# KiCad board GPDI_ULX3S_panel.kicad_pcb (continued)
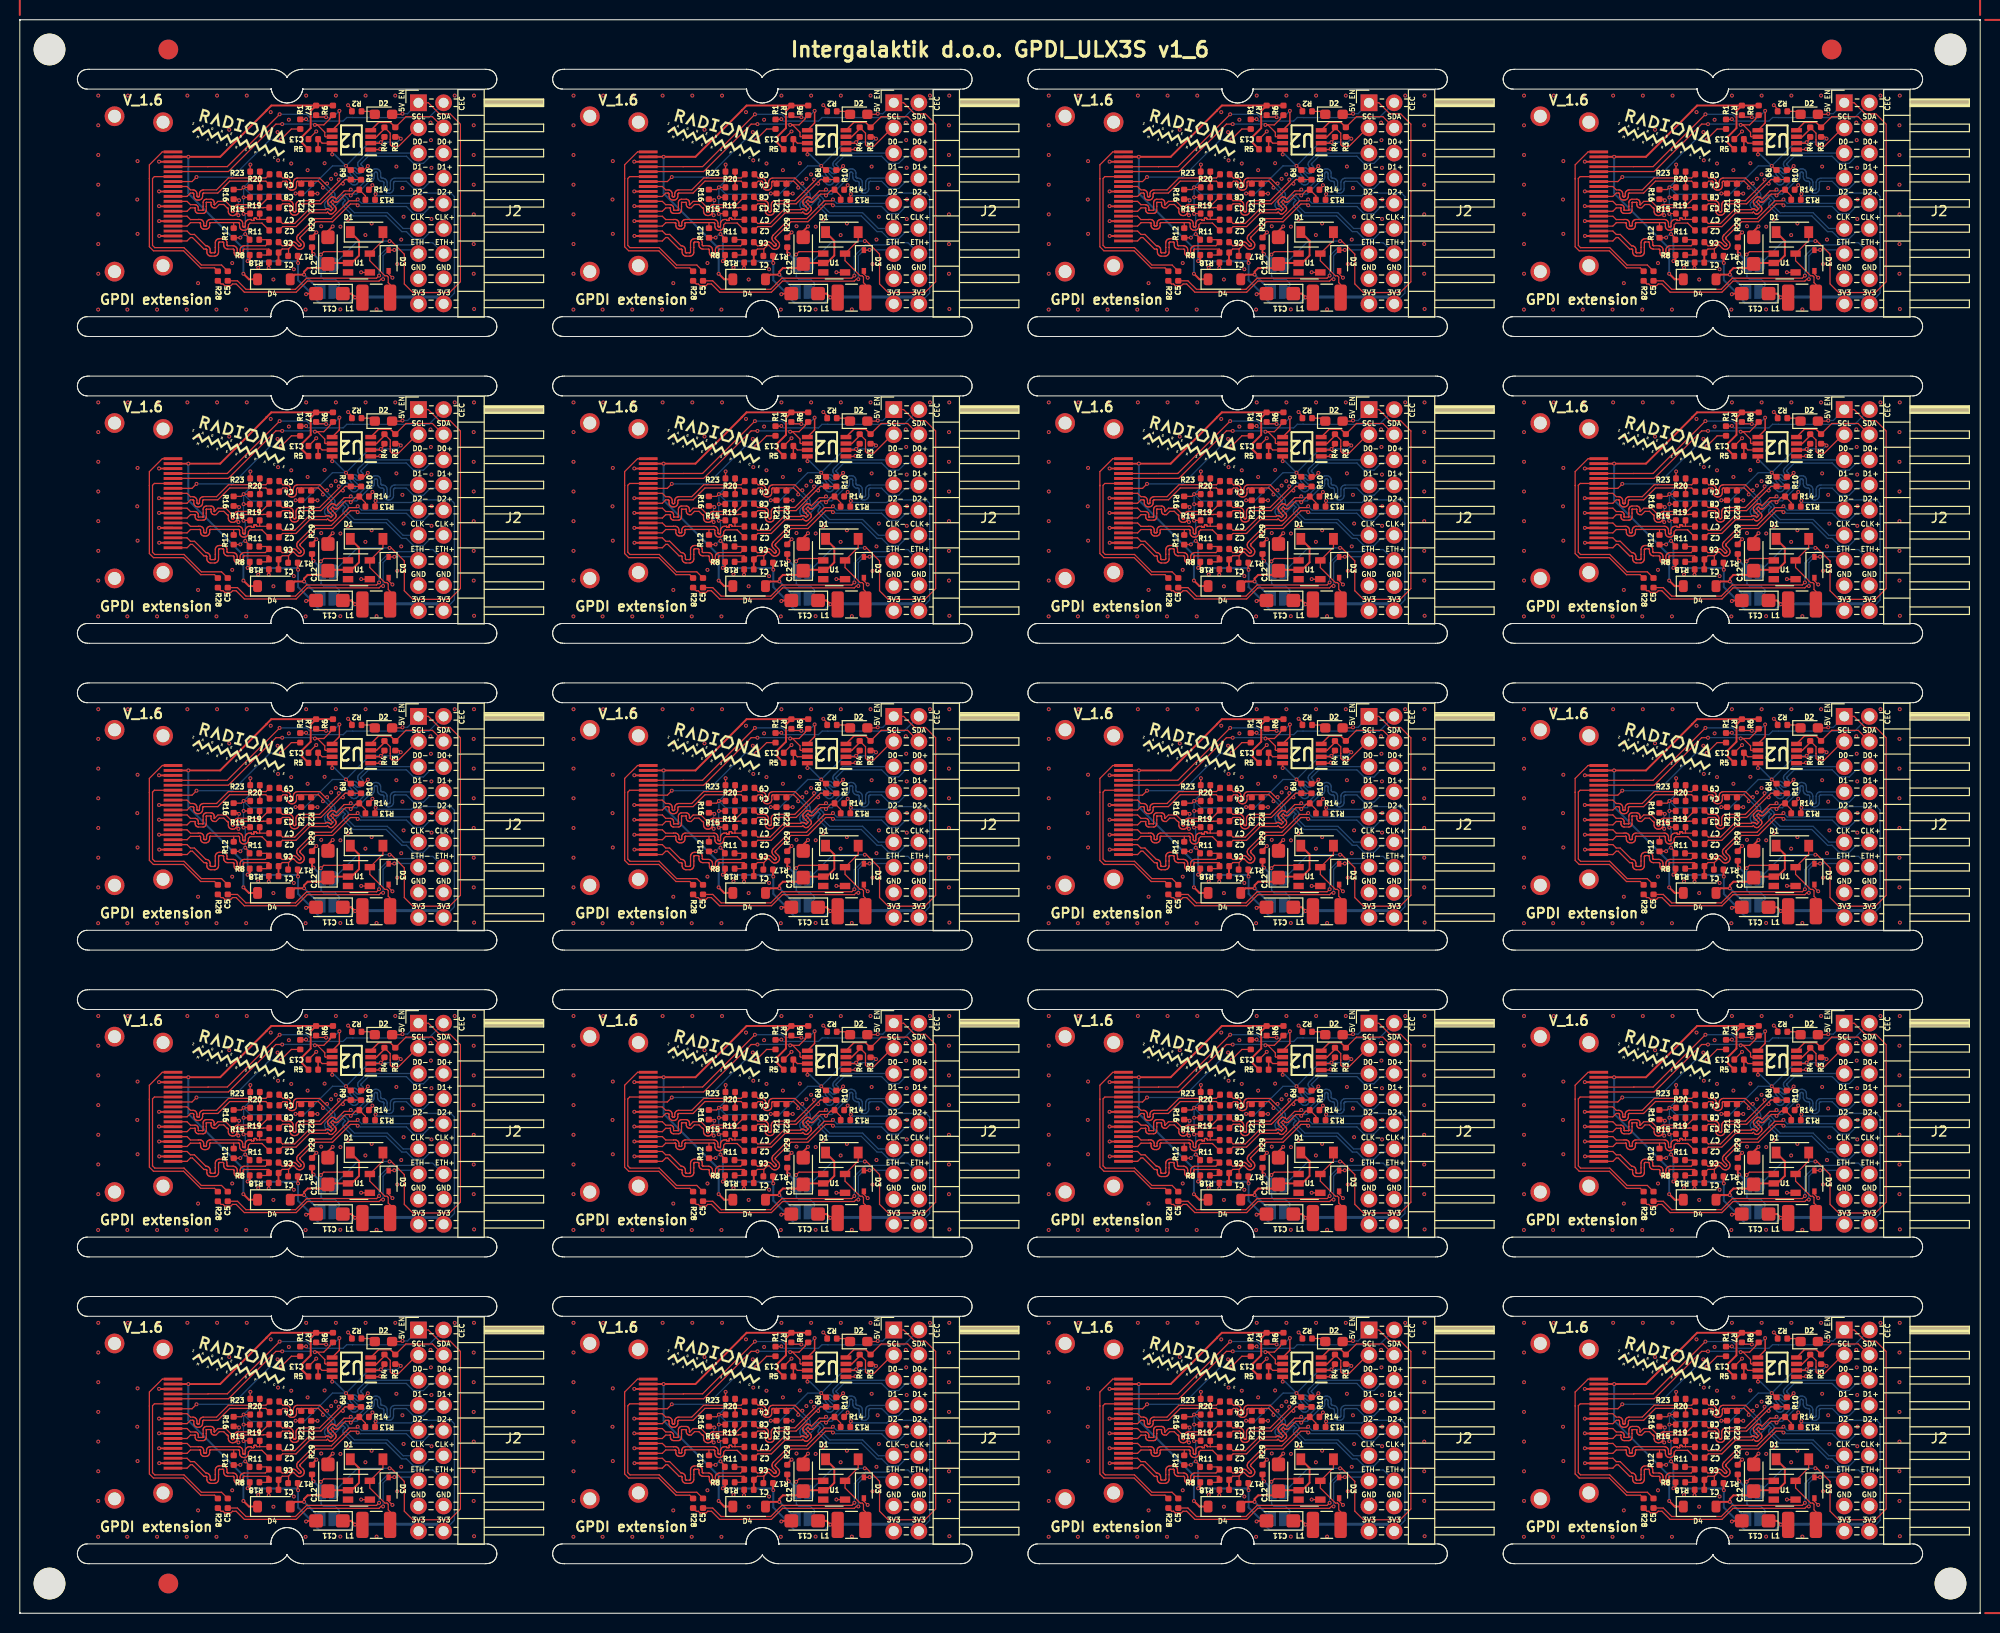
[diagram p0: board, top side]
## Routing (per net, layer and track width the routed paths; a pad name or vN(x,y) marks a point on that pad's centre or on a via; arc(x,y) is an arc through that point) (continued)
Board_8-GPDI_D0+: length 26.3
  Top w0.127: C3#14.1 26.53,80.4 27.15,80.4 27.18,80.4 27.21,80.39 27.24,80.37 27.26,80.35 27.28,80.32 27.29,80.29 27.29,80.26 27.29,79.69 27.3,79.59 27.34,79.5 27.39,79.42 27.46,79.35 27.54,79.3 27.63,79.27 27.73,79.26 27.78,79.26 27.88,79.27 27.97,79.3 28.05,79.35 28.12,79.42 28.17,79.5 28.2,79.59 28.21,79.69 28.21,80.26 28.22,80.29 28.23,80.32 28.24,80.35 28.26,80.37 28.29,80.39 28.32,80.4 28.35,80.4 30.4,80.4 32.44,82.44 v1(32.63,82.44) 32.63,82.63 32.86,82.85 R9#5.2 34.46,82.85 R10#16.1
  Bottom w0.127: J2#7.6 42.48,85.22 41.48,85.22 40.76,84.49 39.76,84.49 39.04,85.22 35.22,85.22 34.48,84.47 34.46,84.46 34.45,84.44 34.45,84.42 34.45,84.4 34.45,84.38 34.46,84.36 34.48,84.35 34.6,84.22 34.66,84.15 34.7,84.07 34.72,83.99 34.72,83.9 34.7,83.82 34.66,83.74 34.6,83.67 34.5,83.57 34.43,83.51 34.35,83.48 34.27,83.46 34.18,83.46 34.1,83.48 34.02,83.51 33.95,83.57 33.83,83.7 33.81,83.71 33.79,83.72 33.77,83.72 33.75,83.72 33.73,83.72 33.71,83.71 33.7,83.7 33.68,83.67 33.66,83.64 33.66,83.61 33.66,83.58 33.66,83.55 33.68,83.52 33.7,83.5 34.11,83.08 34.17,83.01 34.21,82.92 34.24,82.83 34.24,82.73 34.21,82.63 34.17,82.55 34.11,82.47 34.07,82.43 34,82.37 33.91,82.33 33.82,82.31 33.72,82.31 33.62,82.33 33.54,82.37 33.46,82.43 33.05,82.85 33.02,82.87 32.99,82.88 32.96,82.89 32.93,82.89 32.9,82.88 32.87,82.87 32.85,82.85 32.63,82.63 v1(32.63,82.44)
Board_8-GPDI_D0-: length 20.9
  Top w0.127: C8#16.1 26.53,80.72 27.18,80.72 27.28,80.71 27.37,80.68 27.45,80.63 27.52,80.56 27.57,80.48 27.6,80.39 27.61,80.29 27.61,79.72 27.62,79.69 27.63,79.66 27.64,79.63 27.66,79.61 27.69,79.59 27.72,79.58 27.75,79.58 27.78,79.58 27.81,79.59 27.84,79.61 27.86,79.63 27.88,79.66 27.89,79.69 27.89,79.72 27.89,80.29 27.9,80.39 27.94,80.48 27.99,80.56 28.06,80.63 28.14,80.68 28.23,80.71 28.33,80.72 30.27,80.72 32.22,82.67 v1(32.22,82.86)
  Bottom w0.127: J2#7.5 35.08,85.53 34.23,84.68 34.18,84.62 34.14,84.54 34.12,84.45 34.12,84.37 34.14,84.28 34.18,84.21 34.23,84.14 34.36,84.01 34.37,83.99 34.38,83.97 34.39,83.95 34.39,83.93 34.38,83.91 34.37,83.9 34.36,83.88 34.29,83.81 34.28,83.8 34.26,83.79 34.24,83.78 34.22,83.78 34.2,83.79 34.18,83.8 34.16,83.81 34.03,83.94 33.97,83.99 33.89,84.03 33.8,84.05 33.72,84.05 33.63,84.03 33.56,83.99 33.49,83.94 33.45,83.9 33.39,83.83 33.35,83.74 33.33,83.65 33.33,83.55 33.35,83.45 33.39,83.37 33.45,83.29 33.87,82.88 33.89,82.85 33.9,82.82 33.91,82.79 33.91,82.76 33.9,82.73 33.89,82.7 33.87,82.68 33.84,82.66 33.81,82.64 33.78,82.64 33.75,82.64 33.72,82.64 33.69,82.66 33.67,82.68 33.25,83.09 33.18,83.15 33.09,83.19 33,83.22 32.9,83.22 32.81,83.19 32.72,83.15 32.64,83.09 32.41,82.86 v1(32.22,82.86)
Board_8-GPDI_D1+: length 26.6
  Top w0.127: C2#17.1 26.54,78.1 27.9,78.1 29.29,79.49 30.99,79.49 31.08,79.58 31.21,79.46 31.26,79.42 31.32,79.39 31.39,79.37 31.46,79.37 31.52,79.39 31.58,79.42 31.63,79.46 31.86,79.68 31.9,79.74 31.93,79.8 31.95,79.86 31.95,79.93 31.93,79.99 31.9,80.06 31.86,80.11 31.62,80.35 31.63,80.36 31.41,80.58 31.61,80.78 31.73,80.66 31.79,80.61 31.85,80.59 31.91,80.57 31.98,80.57 32.04,80.59 32.1,80.61 32.16,80.66 32.89,81.39 33.29,81.39 v1(33.42,81.25) 33.91,81.74 34.19,81.74 R14#14.1 34.91,81.21 R13#12.2
  Bottom w0.127: 42.8,83 42.48,82.68 41.48,82.68 40.76,81.95 39.76,81.95 39.04,82.68 37.91,82.68 37.87,82.67 37.84,82.66 37.81,82.64 37.78,82.61 37.76,82.58 37.75,82.55 37.75,82.51 37.75,81.94 37.73,81.84 37.7,81.74 37.65,81.65 37.57,81.58 37.49,81.53 37.39,81.49 37.29,81.48 37.23,81.48 37.13,81.49 37.04,81.53 36.95,81.58 36.88,81.65 36.82,81.74 36.79,81.84 36.78,81.94 36.78,82.51 36.77,82.55 36.76,82.58 36.74,82.61 36.71,82.64 36.68,82.66 36.65,82.67 36.61,82.68 36.58,82.68 36.48,82.69 36.39,82.72 36.3,82.78 36.23,82.85 36.17,82.93 36.14,83.03 36.13,83.13 36.13,83.45 36.12,83.49 36.11,83.53 36.09,83.56 36.06,83.58 36.03,83.6 36,83.62 35.96,83.62 35.92,83.62 35.89,83.6 35.86,83.58 35.83,83.56 35.81,83.53 35.8,83.49 35.8,83.45 35.8,83.13 35.78,83.03 35.75,82.93 35.7,82.85 35.62,82.78 35.54,82.72 35.44,82.69 35.34,82.68 35.31,82.68 34.03,81.39 33.56,81.39 v1(33.42,81.25)
Board_8-GPDI_D1-: length 21
  Top w0.127: v1(33.42,81.85) 33.29,81.71 32.76,81.71 31.94,80.89 31.82,81.02 31.77,81.06 31.71,81.09 31.64,81.11 31.57,81.11 31.51,81.09 31.45,81.06 31.39,81.02 31.17,80.79 31.13,80.74 31.1,80.68 31.08,80.62 31.08,80.55 31.1,80.48 31.13,80.42 31.17,80.37 31.41,80.13 31.4,80.12 31.62,79.9 31.42,79.7 31.3,79.82 31.24,79.86 31.18,79.89 31.12,79.91 31.05,79.91 30.98,79.89 30.92,79.86 30.87,79.82 30.86,79.81 29.16,79.81 27.77,78.42 26.54,78.42 C7.1
  Bottom w0.127: 40.26,83 37.88,83 37.78,82.98 37.69,82.95 37.6,82.9 37.53,82.82 37.47,82.74 37.44,82.64 37.43,82.54 37.43,81.97 37.42,81.93 37.41,81.89 37.39,81.86 37.36,81.84 37.33,81.82 37.3,81.8 37.26,81.8 37.22,81.8 37.19,81.82 37.16,81.84 37.13,81.86 37.11,81.89 37.1,81.93 37.1,81.97 37.1,82.54 37.08,82.64 37.05,82.74 37,82.82 36.92,82.9 36.84,82.95 36.74,82.98 36.64,83 36.61,83 36.57,83 36.54,83.01 36.51,83.03 36.48,83.06 36.46,83.09 36.45,83.12 36.45,83.16 36.45,83.48 36.43,83.58 36.4,83.68 36.35,83.77 36.27,83.84 36.19,83.89 36.09,83.93 35.99,83.94 35.93,83.94 35.83,83.93 35.74,83.89 35.65,83.84 35.58,83.77 35.52,83.68 35.49,83.58 35.48,83.48 35.48,83.16 35.47,83.12 35.46,83.09 35.44,83.06 35.41,83.03 35.38,83.01 35.35,83 35.31,83 35.18,83 33.89,81.71 33.56,81.71 v1(33.42,81.85)
Board_8-GPDI_D2+: length 22.7
  Top w0.127: 27.14,75.84 26.5,75.84 C1#16.1 ; 27.14,75.84 27.49,76.19 27.51,76.21 27.54,76.22 27.57,76.23 27.6,76.23 27.63,76.22 27.66,76.21 27.69,76.19 27.96,75.92 28.03,75.86 28.12,75.82 28.21,75.79 28.31,75.79 28.4,75.82 28.49,75.86 28.57,75.92 28.61,75.96 28.67,76.03 28.71,76.12 28.73,76.21 28.73,76.31 28.71,76.41 28.67,76.49 28.61,76.57 28.34,76.84 28.32,76.86 28.3,76.89 28.3,76.92 28.3,76.95 28.3,76.98 28.32,77.01 28.34,77.04 29.89,78.59 31.59,78.59 33.39,80.39 33.99,80.39 v1(34.12,80.25) ; 27.14,75.84 27.14,75.19 R17#13.2
  Top w0.2: R18#14.1 26.13,75.47 C1#16.1
  Bottom w0.127: v1(34.12,80.25) 34.27,80.25 34.38,80.14 39.04,80.14 39.76,79.41 40.76,79.41 41.48,80.14 42.48,80.14 J2#7.10
Board_8-GPDI_D2-: length 17.8
  Top w0.127: C6#19.1 26.5,76.16 27.01,76.16 27.28,76.43 27.36,76.49 27.44,76.53 27.54,76.56 27.64,76.56 27.73,76.53 27.82,76.49 27.89,76.43 28.16,76.16 28.19,76.14 28.21,76.13 28.25,76.12 28.28,76.12 28.31,76.13 28.34,76.14 28.36,76.16 28.38,76.19 28.39,76.22 28.4,76.25 28.4,76.28 28.39,76.31 28.38,76.34 28.36,76.36 28.09,76.63 28.03,76.71 27.99,76.79 27.97,76.89 27.97,76.98 27.99,77.08 28.03,77.17 28.09,77.24 29.76,78.91 31.46,78.91 33.26,80.71 33.99,80.71 v1(34.12,80.85)
  Bottom w0.127: J2#7.9 34.52,80.45 v1(34.12,80.85)
Board_8-GPDI_ETH+: length 25.7
  Top w0.127: v1(36.29,73.15) 36.03,72.89 28.97,72.89 27.84,71.77 22.84,71.77 21.98,72.62 C5.1
  Bottom w0.127: v1(36.29,73.15) 36.29,75.13 37.41,76.25 39.65,76.25 39.87,76.47 41.71,76.47 J2#7.14
Board_8-GPDI_ETH-: length 24.8
  Top w0.127: R28#7.2 20.32,72.31 20.52,72.31 20.69,72.14 21.31,72.14 21.48,72.31 21.85,72.31 22.68,71.48 27.91,71.48 29.03,72.6 36.29,72.6 36.48,72.79 v1(36.69,72.79) ; v1(37.82,75.75) 37.8,75.72 D3#6.1
  Bottom w0.127: v1(36.69,72.79) 36.69,72.79 36.69,75.16 37.27,75.75 v1(37.82,75.75) 39.89,75.75 J2#7.13
Board_8-GPDI_SCL: length 21.1
  Top w0.127: v1(26.5,88.46) 25.86,88.46 21.07,83.67 15.48,83.67 P1#11.15 ; R6#11.2 31.32,89.06 31.32,89 30.7,88.38 v1(29.8,88.38) 30.05,88.38 30.8,87.63 30.8,87.25 30.87,87.18 U2#3.6
  Bottom w0.127: v1(26.5,88.46) 26.51,88.47 29.71,88.47 v1(29.8,88.38)
Board_8-GPDI_SDA: length 22.8
  Top w0.127: R7#19.2 30.11,89.18 30.91,89.18 v1(30.93,89.16) ; P1#11.16 19.01,84.15 19.02,84.17 20.96,84.17 v1(26.24,89.45)
  Top w0.15: U2#3.5 32.28,88.57 v1(32.28,89.8)
  Bottom w0.127: v1(32.28,89.8) 31.58,89.1 30.99,89.1 v1(30.93,89.16) 30.92,89.17 29.25,89.17 28.97,89.45 v1(26.24,89.45)
Board_8-Net-(D1-A): length 8.1
  Top w0.127: L1#6.2 37.4,72.25 37.21,72.44 37.21,73.01 37.08,73.13 36.87,73.13 35.35,74.66 U1#19.5 36.67,76.7 D1#14.2
Board_8-Net-(D1-K): length 13.2
  Top w0.2: D4#12.2 27.78,73.25 v1(28.71,73.25) 28.71,73.55 29.07,73.91 30.7,73.91 C12#17.1 31.22,74.42 U1#19.2 33.51,74.42 34.26,75.18 34.26,76.66 D1#14.1
  Bottom w0.2: JP2#16.1 30.37,71.59 v1(28.71,73.25)
Board_8-Net-(D2-K): length 1.5
  Top w0.127: D2#3.1 35.55,89.75 R2#5.1
Board_8-Net-(U2-VREF2): length 2.6
  Top w0.127: C13#16.1 30.53,86.53 U2#3.7
  Top w0.15: R5#18.2 C13#16.1
Board_8-PMOD_SCL: length 8.1
  Top w0.127: 39.88,87.69 40.26,88.08 40.11,88.08 38.25,86.21 37.59,86.21 37.41,86.38 37.41,86.88 37.41,86.88 37.41,87.55 R4#4.2
  Top w0.15: R4#4.2 36.82,87.98 36.03,87.18 U2#3.3
Board_8-PMOD_SDA: length 8.8
  Top w0.127: R3#10.2 39,89.21 41.67,89.21 42.8,88.08
  Top w0.15: R3#10.2 37.43,88.63 36.24,88.63 U2#3.4
Board_9-5V_ENABLE: length 54.8
  Top w0.127: v1(85.34,76.64) 85.51,76.64 86.83,75.32 86.83,72.31 87.7,71.44 91.41,71.44 92.5,72.53 92.5,88.45 91.46,89.49 90.39,89.49 89.26,90.61 J2.1 87.8,90.15 ; v1(86.65,89.51) 86.59,89.45 D2#5.2 ; U1#16.1 80.96,75.57 78.7,75.57 v1(78.41,75.28)
  Top w0.2: R29#6.1 77.51,75.48 v1(77.66,75.33)
  Bottom w0.127: JP2#7.2 80.26,72.13 80.26,72.39 79.86,72.79 78.68,72.79 78.44,73.03 78.43,73.03 78.43,74.25 JP1#5.2 78.42,75 78.41,75.01 v1(78.41,75.28) ; JP1#5.1 82.12,76.64 v1(85.34,76.64) ; v1(86.65,89.51) 87.16,89.51 J2.1
  Bottom w0.2: v1(77.66,75.33) 78.42,74.57 JP1#5.2
  Bottom w0.5: JP1#5.2 JP1#5.1
Board_9-+3V3: length 87.4
  Top w0.127: v1(83.93,81.38) 83.88,81.33 R13#17.1 ; L1#13.1 81.88,70.93 v1(81.86,70.95) ; v1(75.85,81.45) R21#4.1 ; v1(70.27,76.99) 70.26,76.97 R12#2.1 ; R15#19.1 70.62,79.42 v1(70.59,79.39) ; R11#20.1 71.21,76.91 v1(70.77,77.35) ; v1(86.47,86.99) 86.3,87.17 R3#7.1 ; v1(80.94,84.24) 81.36,83.82 R9#4.1 ; v1(71.29,84.37) 71.27,84.35 R23#17.1 ; R4#13.1 84.82,86.99 v1(84.47,86.63) ; R20#4.1 v1(70.6,82.07) 70.38,81.85 R16.1 ; R19#3.1 v1(70.6,81.06)
  Top w0.15: U2#15.2 84.37,86.53 v1(84.47,86.63) ; v1(79.55,85.4) 79.54,85.41 U2#15.8
  Top w0.2: v1(76.1,74.43) 76.07,74.46 R17#5.1 ; v1(81.86,70.95) 81.48,71.33 C11#5.1 ; R8#4.1 71.23,74.84 v1(71.01,74.62)
  Bottom w0.127: J2.18 91.89,71.38 91.89,81.14 91.54,81.5 87.83,81.5 87.57,81.23 84.08,81.23 v1(83.93,81.38) ; v1(70.6,82.07) 71.3,81.37 75.77,81.37 v1(75.85,81.45) 76.79,81.45 79.58,84.24 v1(80.94,84.24) 83.34,86.63 v1(84.47,86.63) 86.12,86.63 v1(86.47,86.99) ; v1(70.6,82.07) v1(70.6,81.06) 70.59,81.05 v1(70.59,79.39) 70.77,79.22 v1(70.77,77.35) 70.63,77.35 v1(70.27,76.99) ; v1(70.6,82.07) 71.29,82.75 v1(71.29,84.37)
  Bottom w0.15: v1(79.55,85.4) 79.78,85.4 v1(80.94,84.24)
  Bottom w0.2: v1(70.77,77.35) 71.01,77.11 v1(71.01,74.62) 71.03,74.6 75.93,74.6 v1(76.1,74.43) 76.1,72.68 77.65,71.14 77.65,71 78.24,70.41 81.32,70.41 v1(81.86,70.95)
  Bottom w0.3: v1(81.86,70.95) 81.9,70.99 90.11,70.99 J2.18
Board_9-+5V: length 39.3
  Top w0.2: D4#3.1 71.14,72.78 v1(70.58,73.34) ; R7#6.1 73.4,90.33 72.92,89.85 72.92,89.83 68.24,85.15 v1(65.02,85.15) P1#3.18 ; R7#6.1 R6#18.1 ; R7#6.1 77.38,89.79 77.38,88.06 76.53,87.2 76.53,86.55 R5#7.1
  Bottom w0.2: v1(70.58,73.34) 70.58,75.9 65.02,81.46 v1(65.02,85.15)
Board_9-/CEC: length 15.1
  Top w0.127: P1#3.13 65.39,82.65 v1(65.85,83.11) ; R1#6.1 75.43,87.97 v1(74.37,86.91)
  Bottom w0.127: v1(65.85,83.11) 69.47,83.11 73.28,86.91 v1(74.37,86.91)
Board_9-/CLK+: length 12.1
  Top w0.127: C4#3.2 72.85,82.7 69.2,82.7 68,81.5 66.58,81.5 66.55,81.49 66.53,81.48 66.51,81.47 66.49,81.45 66.48,81.43 66.47,81.4 66.46,81.38 66.46,81.19 66.45,81.1 66.42,81.02 66.37,80.94 66.31,80.87 66.23,80.82 66.14,80.79 66.05,80.78 65.98,80.78 65.89,80.79 65.8,80.82 65.73,80.87 65.66,80.94 65.61,81.02 65.58,81.1 65.57,81.19 65.57,81.38 65.57,81.4 65.56,81.43 65.55,81.45 65.53,81.47 65.51,81.48 65.48,81.49 65.45,81.5 65.24,81.5 64.89,81.15 P1#3.10
  Top w0.15: R20#4.2 72.24,82.67
Board_9-/CLK-: length 12.2
  Top w0.127: P1#3.12 64.89,82.15 65.24,81.81 65.48,81.81 65.57,81.8 65.66,81.77 65.74,81.72 65.8,81.66 65.85,81.58 65.88,81.49 65.89,81.4 65.89,81.22 65.89,81.19 65.9,81.17 65.92,81.15 65.93,81.13 65.96,81.11 65.98,81.1 66.01,81.1 66.03,81.1 66.05,81.1 66.08,81.11 66.1,81.13 66.12,81.15 66.13,81.17 66.14,81.19 66.14,81.22 66.14,81.4 66.16,81.49 66.19,81.58 66.23,81.66 66.3,81.72 66.38,81.77 66.46,81.8 66.56,81.81 67.87,81.81 69.07,83.02 72.26,83.02 ; 72.26,83.02 72.85,83.02 C9#3.2 ; 72.26,83.02 72.24,83.03 R23#17.2
Board_9-/D0+: length 15.7
  Top w0.127: v1(70.08,79.25) 69.95,79.38 69.86,79.38 ; 69.86,79.38 69.91,79.46 69.94,79.55 69.95,79.64 69.95,79.88 69.95,79.91 69.96,79.93 69.98,79.96 70,79.98 70.02,79.99 70.05,80 70.08,80.01 70.15,80.01 70.18,80 70.2,79.99 70.23,79.98 70.25,79.96 70.26,79.93 70.27,79.91 70.28,79.88 70.28,79.87 70.28,79.84 70.29,79.82 70.3,79.79 70.32,79.77 70.35,79.76 70.37,79.75 70.4,79.75 70.43,79.75 70.46,79.76 70.48,79.77 70.5,79.79 70.52,79.82 70.53,79.84 70.53,79.87 70.53,79.88 70.53,79.91 70.54,79.93 70.56,79.96 70.58,79.98 70.6,79.99 70.63,80 70.66,80.01 72.57,80.01 72.59,80.03 C3#19.2 ; 69.86,79.38 69.79,79.31 69.71,79.26 69.62,79.23 69.53,79.22 69.48,79.22 69.38,79.23 69.3,79.26 69.22,79.31 69.15,79.38 69.1,79.46 69.07,79.55 69.06,79.64 69.06,79.88 69.05,79.91 69.04,79.93 69.03,79.96 69.01,79.98 68.99,79.99 68.96,80 68.93,80.01 68.6,80.34 68.14,80.34 67.8,80 67.65,80 67.58,80 67.5,80.03 67.44,80.07 67.39,80.12 67.35,80.19 67.32,80.26 67.31,80.33 67.31,80.51 67.31,80.52 67.31,80.53 67.3,80.54 67.3,80.54 67.29,80.55 67.28,80.55 67.27,80.55 66.87,80.55 66.86,80.55 66.85,80.55 66.85,80.54 66.84,80.54 66.84,80.53 66.83,80.52 66.83,80.51 66.83,80.15 66.83,79.78 66.82,79.7 66.8,79.63 66.76,79.57 66.7,79.51 66.64,79.47 66.57,79.45 66.49,79.44 66.05,79.44 65.97,79.45 65.9,79.47 65.84,79.51 65.79,79.57 65.75,79.63 65.72,79.7 65.71,79.78 65.71,79.96 65.71,79.97 65.71,79.97 65.7,79.98 65.7,79.99 65.69,79.99 65.68,79.99 65.67,80 65.24,80 64.89,79.65 P1#3.7 ; R16.2 70.03,80.88 v1(70.15,80.76)
  Bottom w0.127: v1(70.15,80.76) 70.08,80.7 v1(70.08,79.25)
Board_9-/D0-: length 14.1
  Top w0.127: P1#3.9 64.89,80.65 65.24,80.31 65.69,80.31 65.77,80.31 65.84,80.28 65.9,80.24 65.96,80.19 66,80.12 66.02,80.05 66.03,79.98 66.03,79.8 66.03,79.79 66.03,79.78 66.04,79.77 66.05,79.77 66.05,79.76 66.06,79.76 66.07,79.76 66.47,79.76 66.48,79.76 66.49,79.76 66.5,79.77 66.5,79.77 66.51,79.78 66.51,79.79 66.51,79.8 66.51,80.15 66.51,80.15 66.51,80.53 66.52,80.61 66.55,80.68 66.59,80.74 66.64,80.8 66.7,80.84 66.78,80.86 66.85,80.87 67.29,80.87 67.37,80.86 67.44,80.84 67.51,80.8 67.56,80.74 67.6,80.68 67.62,80.61 67.63,80.53 67.63,80.35 67.63,80.34 67.64,80.34 67.64,80.33 67.65,80.32 67.65,80.32 67.66,80.32 67.67,80.31 68.01,80.65 68.8,80.65 69.28,80.17 69.33,80.09 69.37,80 69.38,79.91 69.38,79.67 69.38,79.64 69.39,79.61 69.4,79.59 69.42,79.57 69.45,79.55 69.48,79.54 69.5,79.54 69.53,79.54 69.56,79.55 69.58,79.57 69.6,79.59 69.62,79.61 69.63,79.64 69.63,79.67 69.63,79.91 69.64,80 69.67,80.09 69.72,80.17 69.79,80.23 69.87,80.28 69.96,80.31 70.05,80.33 72.39,80.33 C8#4.2 73.13,81.06
  Top w0.15: 72.2,80.33 72.22,80.34 R19#3.2
Board_9-/D1+: length 12.6
  Top w0.127: P1#3.4 64.89,78.15 65.24,78.5 66.15,78.5 66.16,78.51 66.18,78.5 66.2,78.5 66.22,78.49 66.24,78.47 66.25,78.45 66.25,78.43 66.26,78.41 66.26,78.23 66.27,78.14 66.29,78.06 66.34,77.99 66.4,77.93 66.48,77.88 66.56,77.85 66.64,77.84 66.79,77.84 66.87,77.85 66.95,77.88 67.03,77.93 67.09,77.99 67.14,78.06 67.16,78.14 67.17,78.23 67.17,78.41 67.18,78.43 67.18,78.45 67.19,78.47 67.21,78.49 67.23,78.5 67.25,78.5 67.27,78.51 70.07,78.51 70.1,78.5 70.13,78.49 70.15,78.48 70.17,78.46 70.18,78.43 70.19,78.41 70.2,78.38 70.2,78.15 70.21,78.05 70.24,77.97 70.29,77.89 70.36,77.82 70.44,77.77 70.52,77.74 70.62,77.73 70.67,77.73 70.76,77.74 70.85,77.77 70.93,77.82 71,77.89 71.05,77.97 71.08,78.05 71.09,78.15 71.09,78.29 71.26,78.46 72.45,78.46 C2#19.2 ; R12#2.2 69.6,78.49
Board_9-/D1-: length 12.8
  Top w0.127: 72.23,78.83 73.16,78.83 C7#6.2 ; 72.23,78.83 71.97,78.83 71.95,78.83 71.94,78.83 71.92,78.84 71.91,78.85 71.9,78.87 71.9,78.88 71.9,78.91 71.89,78.93 71.88,78.94 71.87,78.96 71.86,78.96 71.84,78.97 71.82,78.97 71.72,78.97 71.7,78.97 71.68,78.96 71.67,78.96 71.66,78.94 71.65,78.93 71.65,78.91 71.64,78.9 71.64,78.78 71.64,78.76 71.64,78.75 71.63,78.74 71.62,78.74 71.62,78.73 71.6,78.73 71.59,78.73 71.44,78.73 71.43,78.73 71.42,78.73 71.41,78.74 71.4,78.74 71.39,78.75 71.39,78.76 71.39,78.79 71.38,78.8 71.38,78.81 71.37,78.81 71.36,78.82 71.35,78.82 71.34,78.83 71.19,78.83 71.1,78.81 71.01,78.78 70.93,78.73 70.86,78.67 70.81,78.59 70.78,78.5 70.77,78.41 70.77,78.17 70.77,78.15 70.76,78.12 70.74,78.09 70.72,78.07 70.7,78.06 70.67,78.05 70.64,78.05 70.62,78.05 70.59,78.06 70.56,78.07 70.54,78.09 70.53,78.12 70.52,78.15 70.52,78.17 70.52,78.41 70.51,78.5 70.47,78.59 70.42,78.67 70.36,78.73 70.28,78.78 70.19,78.81 70.1,78.83 67.24,78.83 67.16,78.82 67.08,78.79 67,78.74 66.94,78.68 66.89,78.61 66.87,78.52 66.86,78.44 66.86,78.25 66.85,78.23 66.85,78.21 66.84,78.2 66.82,78.18 66.8,78.17 66.78,78.16 66.76,78.16 66.67,78.16 66.65,78.16 66.63,78.17 66.61,78.18 66.59,78.2 66.58,78.21 66.58,78.23 66.57,78.25 66.57,78.44 66.56,78.52 66.54,78.61 66.49,78.68 66.43,78.74 66.35,78.79 66.27,78.82 66.19,78.83 66.03,78.83 66.02,78.81 65.24,78.81 64.89,79.15 P1#3.6 ; 72.23,78.83 R15#19.2
Board_9-/D2+: length 15
  Top w0.127: P1#3.1 64.89,76.65 65.24,77 65.43,77 66.6,75.83 66.78,75.83 66.81,75.83 66.83,75.82 66.85,75.81 66.87,75.79 66.88,75.77 66.89,75.75 66.89,75.73 66.89,75.53 66.9,75.44 66.93,75.35 66.98,75.27 67.05,75.21 67.13,75.16 67.21,75.13 67.31,75.12 67.66,75.12 67.75,75.13 67.84,75.16 67.92,75.21 67.98,75.27 68.03,75.35 68.06,75.44 68.07,75.53 68.07,76 68.07,76 68.07,76.44 68.08,76.47 68.09,76.49 68.1,76.51 68.12,76.53 68.14,76.54 68.16,76.55 68.18,76.55 68.48,76.55 68.51,76.55 68.53,76.54 68.55,76.53 68.57,76.51 68.58,76.49 68.59,76.47 68.59,76.44 68.59,76.25 68.6,76.16 68.63,76.07 68.68,75.99 68.75,75.92 68.83,75.88 68.91,75.84 69.01,75.83 69.56,75.83 69.59,75.82 69.61,75.79 69.63,75.77 69.64,75.74 69.64,75.71 69.64,75.5 69.66,75.4 69.69,75.31 69.74,75.23 69.81,75.16 69.89,75.1 69.98,75.07 70.08,75.06 70.13,75.06 70.23,75.07 70.32,75.1 70.4,75.16 70.47,75.23 70.52,75.31 70.56,75.4 70.57,75.5 70.57,75.71 70.57,75.74 70.58,75.77 70.6,75.79 70.62,75.82 70.65,75.83 73.14,75.83 73.17,75.8 C1#4.2 72.92,75.23 R8#4.2
Board_9-/D2-: length 14.8
  Top w0.127: R11#20.2 72.91,76.78 C6#8.2 72.8,76.17 70.68,76.17 70.59,76.16 70.49,76.12 70.41,76.07 70.34,76 70.29,75.92 70.26,75.83 70.25,75.73 70.25,75.52 70.24,75.49 70.23,75.46 70.22,75.43 70.19,75.41 70.17,75.39 70.14,75.38 70.11,75.38 70.07,75.38 70.04,75.39 70.02,75.41 69.99,75.43 69.98,75.46 69.97,75.49 69.96,75.52 69.96,75.73 69.95,75.83 69.92,75.92 69.87,76 69.8,76.07 69.72,76.12 69.63,76.16 69.53,76.17 69.03,76.17 69.01,76.17 68.99,76.18 68.97,76.19 68.95,76.21 68.94,76.23 68.93,76.25 68.92,76.27 68.92,76.47 68.91,76.56 68.88,76.65 68.83,76.73 68.77,76.79 68.69,76.84 68.6,76.87 68.51,76.88 68.16,76.88 68.06,76.87 67.98,76.84 67.9,76.79 67.83,76.73 67.78,76.65 67.75,76.56 67.74,76.47 67.74,76 67.74,75.56 67.74,75.54 67.73,75.51 67.72,75.49 67.7,75.48 67.68,75.46 67.66,75.45 67.63,75.45 67.33,75.45 67.31,75.45 67.28,75.46 67.26,75.48 67.25,75.49 67.23,75.51 67.23,75.54 67.22,75.56 67.22,75.75 67.21,75.84 67.18,75.93 67.13,76.01 67.07,76.08 66.99,76.13 66.9,76.16 66.81,76.17 66.78,76.17 65.64,77.31 65.24,77.31 64.89,77.65 P1#3.3
Board_9-/ETH+: length 17.6
  Top w0.127: P1#3.14 61.59,83.15 61.4,82.97 61.4,76.2 61.63,75.98 64.58,75.98 66.34,74.22 68.38,74.22 C5#20.2
Board_9-/ETH-: length 19.2
  Top w0.127: 61.09,82.93 61.09,84.35 62.39,85.65 P1#3.19 ; 61.09,82.93 61.09,76.07 61.5,75.66 64.54,75.66 66.27,73.93 67.67,73.93 R28#2.1 ; 61.09,82.93 61.09,82.97
Board_9-GND: length 17.5
  Top w0.127: v1(81.15,90.37) 81.54,89.98 R2#17.2 ; v1(85.63,72.94) 85.25,73.33 D3#4.2 ; U1#16.4 82.49,73.47 v1(82.47,73.49) ; v1(83.61,82.29) 83.61,82.19 R14#8.2 ; R22#3.2 78.07,81.44 v1(78.07,81.44) ; v1(83.15,84.22) 82.75,83.82 R10#7.2 ; v1(77.94,87.72) 77.94,87.72 C13#4.2
  Top w0.15: v1(84.4,85.94) 84.35,85.88 U2#15.1
  Top w0.2: R29#6.2 77.51,77.08 v1(77.95,77.52) ; v1(62.06,81.66) 62.07,81.65 P1#3.11 ; C12#18.2 79.12,77.64 v1(79.6,78.12) ; v1(62.06,80.18) 62.08,80.15 P1#3.8 ; P1#3.2 62.08,77.15 v1(62.08,77.16) ; v1(62.06,84.67) 62.07,84.65 P1#3.17 ; P1#3.5 62.08,78.65 v1(62.07,78.66) ; v1(76.91,71.27) 76.97,71.33 C11#5.2 ; R18#17.2 73.16,73.94 v1(73.14,73.93)
  In1.Cu w0.5: 88.38,72.72 88.26,72.84
  vias: v1(55.92,91.34) v1(55.92,88.34) v1(55.92,85.34) v1(55.92,82.34) v1(55.92,79.34) v1(55.92,76.34) v1(55.92,73.34) v1(55.91,69.72) v1(58.92,91.34) v1(58.86,69.72) v1(59.89,84.72) v1(59.86,80.84) v1(59.89,77.37) v1(61.92,91.34) v1(61.86,69.72) v1(64.92,91.34) v1(64.86,69.72) v1(66.02,87.97) v1(66,72.39) v1(67.92,91.34) v1(67.86,69.72) v1(69.15,87.89) v1(69.45,74.42) v1(70.92,91.34) v1(70.86,69.72) v1(72.08,73.94) v1(73.34,89.67) v1(73.61,72.76) v1(74.03,87.65) v1(74.08,84.8) v1(75.17,88.9) v1(75.41,84.48) v1(75.68,73.79) v1(76.92,91.34) v1(76.86,69.72) v1(77.07,83.81) v1(78.44,78.14) v1(78.78,84.51) v1(79.44,82.93) v1(79.92,91.34) v1(79.91,83.38) v1(80.38,78.1) v1(80.37,69.74) v1(81.14,78.81) v1(82.92,91.34) v1(82.9,77.25) v1(83.53,78.42) v1(84.03,69.74) v1(85.92,91.34) v1(86.03,84.17) v1(86.12,74.32) v1(86.52,76.79) v1(86.64,82) v1(86.76,79.1) v1(89.48,88.61) v1(89.52,86.84) v1(89.57,84.05) v1(89.6,80.85) v1(89.58,78.87) v1(91.92,91.34) v1(93.84,88.34) v1(93.84,85.34) v1(93.84,82.34) v1(93.84,79.34) v1(93.84,76.34) v1(93.84,73.34) v1(93.87,91.34) v1(93.88,69.78)
Board_9-GPDI_CEC: length 15.3
  Top w0.127: v1(76.91,88.96) 76.89,88.94 R1#6.2
  Bottom w0.127: J2.2 89.31,89.12 81.61,89.12 81.6,89.13 81.02,89.13 80.66,88.77 77.1,88.77 v1(76.91,88.96)
Board_9-GPDI_CLK+: length 24.8
  Top w0.127: 76.45,82.69 76.09,82.69 76.06,82.69 76.03,82.68 76,82.66 75.98,82.64 75.96,82.61 75.95,82.58 75.95,82.55 75.95,82.22 75.94,82.12 75.9,82.03 75.85,81.95 75.78,81.88 75.7,81.83 75.61,81.8 75.51,81.79 75.46,81.79 75.36,81.8 75.27,81.83 75.19,81.88 75.12,81.95 75.07,82.03 75.04,82.12 75.03,82.22 75.03,82.55 75.02,82.58 75.01,82.61 75,82.64 74.97,82.66 74.95,82.68 74.92,82.69 74.89,82.69 74.57,82.69 C4#3.1 ; 76.45,82.69 77.43,82.69 ; 76.45,82.69 76.42,82.67 R21#4.2 ; 77.43,82.69 78.16,82.69 78.62,82.23 v1(78.62,82.04) ; 77.43,82.69 R22#3.1
  Bottom w0.127: v1(78.62,82.04) 78.81,82.04 79.46,81.39 79.48,81.36 79.5,81.33 79.5,81.29 79.5,81.26 79.5,81.22 79.48,81.19 79.46,81.16 78.91,80.61 78.85,80.53 78.8,80.44 78.78,80.34 78.78,80.24 78.8,80.14 78.85,80.05 78.91,79.97 78.95,79.93 79.03,79.86 79.12,79.82 79.22,79.8 79.32,79.8 79.42,79.82 79.51,79.86 79.59,79.93 80.62,80.95 80.63,80.96 80.63,80.96 80.64,80.96 80.65,80.96 80.65,80.96 80.66,80.96 80.67,80.95 80.85,80.77 80.86,80.76 80.86,80.75 80.86,80.75 80.86,80.74 80.86,80.73 80.86,80.72 80.85,80.72 80.73,80.59 80.68,80.53 80.65,80.47 80.63,80.39 80.63,80.32 80.65,80.25 80.68,80.18 80.73,80.12 81.66,79.19 84.99,79.19 86.58,77.6 87.04,77.6 87.76,76.87 88.76,76.87 89.48,77.6 90.48,77.6 90.8,77.92
Board_9-GPDI_CLK-: length 21
  Top w0.127: C9#3.1 74.57,83.01 74.91,83.01 75.01,83 75.1,82.97 75.18,82.92 75.25,82.85 75.3,82.77 75.34,82.68 75.35,82.58 75.35,82.25 75.35,82.21 75.36,82.18 75.38,82.16 75.4,82.14 75.43,82.12 75.46,82.11 75.49,82.1 75.52,82.11 75.55,82.12 75.57,82.14 75.6,82.16 75.61,82.18 75.62,82.21 75.63,82.25 75.63,82.58 75.64,82.68 75.67,82.77 75.72,82.85 75.79,82.92 75.87,82.97 75.96,83 76.06,83.01 78.29,83.01 78.84,82.46 v1(79.03,82.46)
  Bottom w0.127: v1(79.03,82.46) 79.03,82.27 79.7,81.6 79.76,81.52 79.81,81.43 79.83,81.33 79.83,81.23 79.81,81.13 79.76,81.03 79.7,80.95 79.15,80.41 79.13,80.38 79.12,80.34 79.11,80.31 79.11,80.27 79.12,80.24 79.13,80.2 79.15,80.17 79.18,80.15 79.22,80.13 79.25,80.13 79.29,80.13 79.33,80.13 79.36,80.15 79.39,80.17 80.41,81.19 80.47,81.24 80.53,81.27 80.61,81.29 80.68,81.29 80.75,81.27 80.82,81.24 80.88,81.19 81.09,80.98 81.14,80.92 81.17,80.85 81.19,80.78 81.19,80.71 81.17,80.63 81.14,80.57 81.09,80.51 80.97,80.38 80.96,80.37 80.96,80.37 80.96,80.36 80.96,80.35 80.96,80.35 80.96,80.34 80.97,80.33 81.79,79.51 85.12,79.51 86.71,77.92 88.26,77.92
Board_9-GPDI_D0+: length 26.3
  Top w0.127: C3#19.1 74.53,80.4 75.15,80.4 75.18,80.4 75.21,80.39 75.24,80.37 75.26,80.35 75.28,80.32 75.29,80.29 75.29,80.26 75.29,79.69 75.3,79.59 75.34,79.5 75.39,79.42 75.46,79.35 75.54,79.3 75.63,79.27 75.73,79.26 75.78,79.26 75.88,79.27 75.97,79.3 76.05,79.35 76.12,79.42 76.17,79.5 76.2,79.59 76.21,79.69 76.21,80.26 76.22,80.29 76.23,80.32 76.24,80.35 76.26,80.37 76.29,80.39 76.32,80.4 76.35,80.4 78.4,80.4 80.44,82.44 v1(80.63,82.44) 80.63,82.63 80.86,82.85 R9#4.2 82.46,82.85 R10#7.1
  Bottom w0.127: J2.6 90.48,85.22 89.48,85.22 88.76,84.49 87.76,84.49 87.04,85.22 83.22,85.22 82.47,84.47 82.46,84.46 82.45,84.44 82.45,84.42 82.45,84.4 82.45,84.38 82.46,84.36 82.47,84.35 82.6,84.22 82.66,84.15 82.7,84.07 82.72,83.99 82.72,83.9 82.7,83.82 82.66,83.74 82.6,83.67 82.5,83.57 82.43,83.51 82.35,83.48 82.27,83.46 82.18,83.46 82.1,83.48 82.02,83.51 81.95,83.57 81.83,83.7 81.81,83.71 81.79,83.72 81.77,83.72 81.75,83.72 81.73,83.72 81.71,83.71 81.7,83.7 81.68,83.67 81.66,83.64 81.66,83.61 81.66,83.58 81.66,83.55 81.68,83.52 81.7,83.5 82.11,83.08 82.17,83.01 82.21,82.92 82.24,82.83 82.24,82.73 82.21,82.63 82.17,82.55 82.11,82.47 82.07,82.43 82,82.37 81.91,82.33 81.82,82.31 81.72,82.31 81.62,82.33 81.54,82.37 81.46,82.43 81.05,82.85 81.02,82.87 80.99,82.88 80.96,82.89 80.93,82.89 80.9,82.88 80.87,82.87 80.85,82.85 80.63,82.63 v1(80.63,82.44)
